# Altium PCB GN-1876-HI3519AV100_V1.PCBDOC (part 2 of 6) (continued)
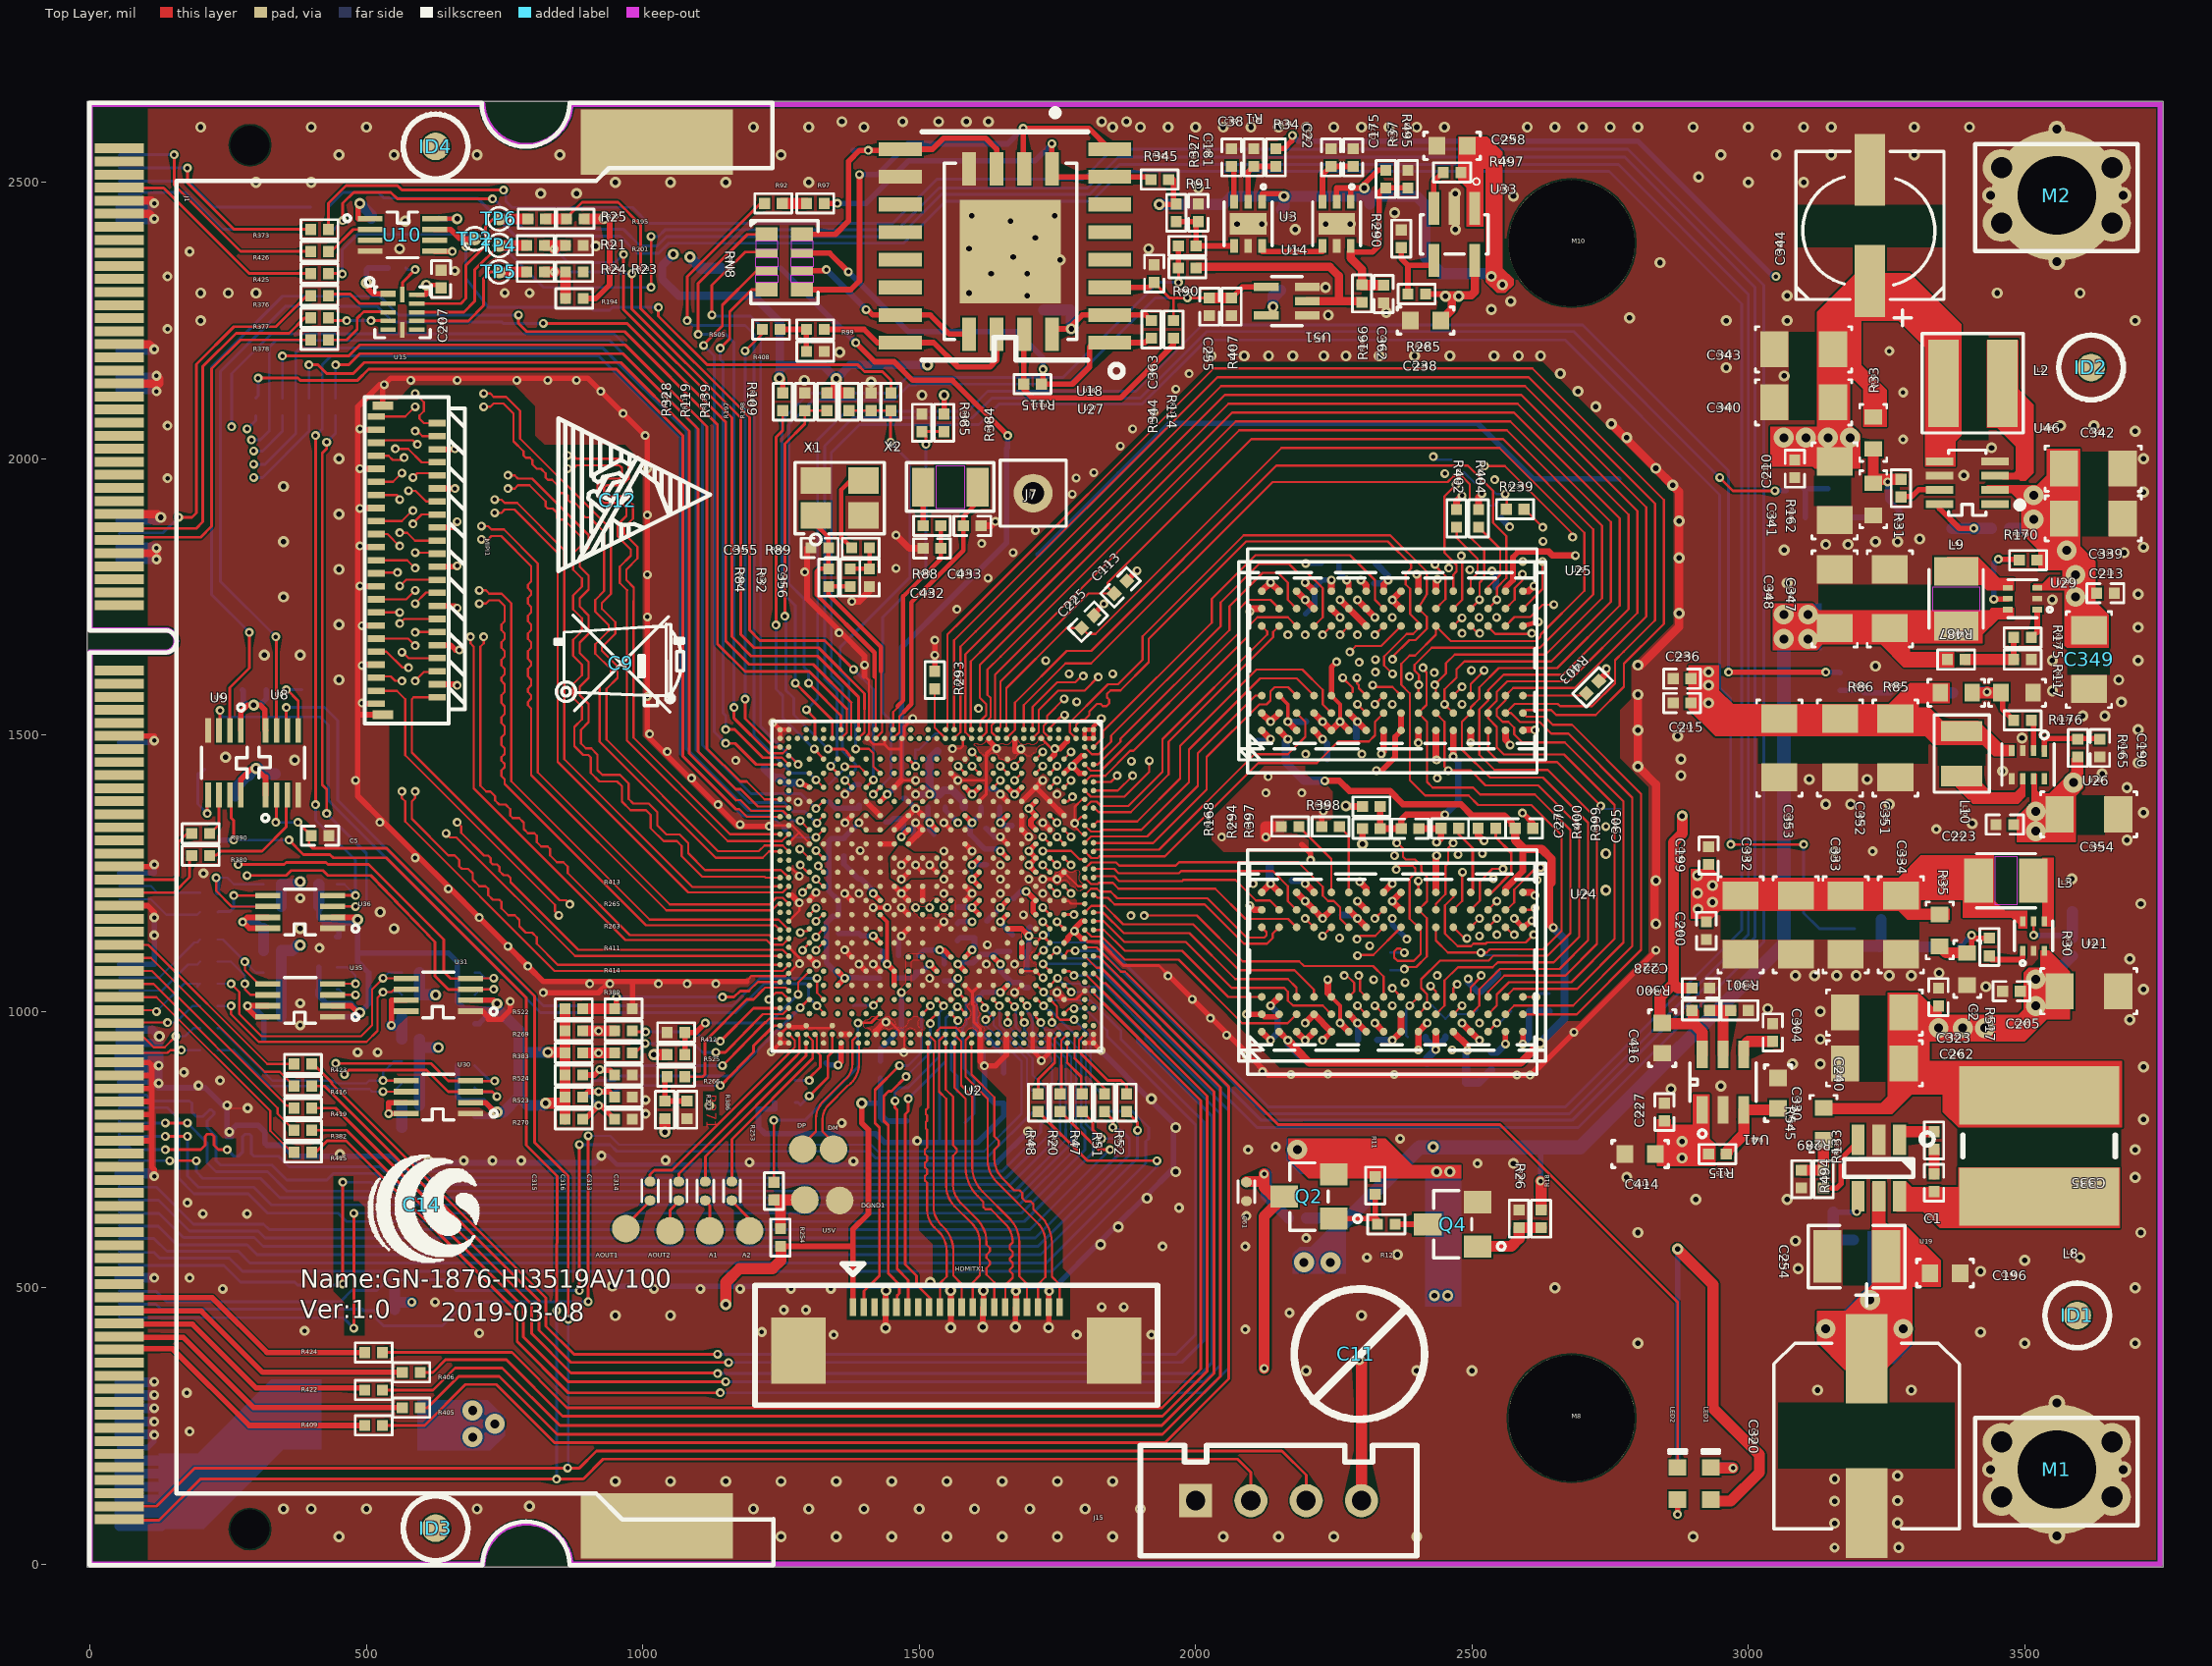
[diagram p0: Top Layer view]
## Nets (pads, with @x,y where several pads share a name; then routed paths per layer and width w, separated by ;. In a path a pad name is that pad's centre, name@x,y a point inside that pad or via, vN(x,y) a via of type N, cw(c..) or ccw(c..) an arc to the next point about the centre after c; other vN are vias at no path point) (continued)
$8N3175: R54.1 U2.1G18 | length 210.5
  Top Layer w4: U2.1G18@1608.46,1021.78 1618.08,1012.16 v1(1618.08,1006.7)
  Bottom Layer w4: v1(1618.08,1006.7) 1634.62,990.16 1634.62,975.16 1695,914.78 1695,865.16 1695.74,865.16 R54.1@1708,852.9
$9N3109: R263.1 U2.AT33 | length 330
  Top Layer w4: 1216,994.16 1217,995.16 1253.1,995.16 U2.AT33@1263.97,1006.03
  Top Layer w5.1: R263.1@981,925.16 983,927.16 984.01,927.11 988.22,927.11 1003.26,942.16 v1(1004,942.16) ; v1(1132,926.16) 1149,926.16 1216,994.16
  Bottom Layer w5.1: v1(1004,942.16) 1092,942.16 1108,926.16 v1(1132,926.16)
$9N3114: R265.1 U2.AU33 | length 299.9
  Top Layer w5.1: R265.1@981,965.16 983,963.16 v1(1005,963.16) ; v1(1140,946.16) 1140.13,946.16 1200,1006.03 U2.AU33@1248.23,1006.03
  Bottom Layer w5.1: v1(1005,963.16) 1096,963.16 1112,947.16 1139,947.16 v1(1140,946.16)
$9N3132: R266.1 U2.AT31 | length 292.1
  Top Layer w4: 1217,1039.16 1221,1043.16 1258.33,1043.16 U2.AT31@1263.97,1037.52
  Top Layer w5.1: R266.1@1076,882.16 1108,882.16 1112,886.16 1112,946.16 1188,1022.16 1200,1022.16 1217,1039.16
$9N3146: R113.1 U2.AU11 | length 1667
  Top Layer w4: 1168,1366.16 1174.32,1366.16 1188,1352.48 U2.AU11@1248.23,1352.48
  Top Layer w5.1: v1(304,2146.16) 376,2146.16 380,2142.16 484,2142.16 504,2162.16 952,2162.16 1072,2042.16 1072,1462.16 1168,1366.16
  Bottom Layer w5.1: R113.1@300,2110.16 304,2114.16 v1(304,2146.16)
$9N3161: R116.1 U2.AU9 | length 1666.1
  Top Layer w4: 1188,1415.98 1220,1383.98 U2.AU9@1248.23,1383.98
  Top Layer w5.1: v1(348,2186.16) 468,2186.16 488,2206.16 968,2206.16 1116,2058.16 1116,1475.98 1176,1415.98 1188,1415.98
  Bottom Layer w5.1: R116.1@348,2110.16 v1(348,2186.16)
$11N1963: R114.1 R115.1 U18.7 | length 429.2
  Top Layer w10: U18.7@1690,2225.55 1689,2224.55 R115.1@1689,2135.16 1689,2126.16 1705,2110.16 1864,2110.16 1960,2206.16 R114.1@1960,2218.16
$18N3698: R368.1 U8.5 | length 111.4
  Top Layer w5.1: v1(355,1582.16) 356.53,1582.16 376.53,1562.16 U8.5@376.53,1508.57
  Bottom Layer w5.1: v1(355,1582.16) R368.1@383,1582.16
$18N3808: R369.2 U9.5 | length 128.6
  Top Layer w5.1: v1(212,1358.16) 212,1390.28 U9.5@213.47,1391.75
  Bottom Layer w5.1: R369.2@207,1438.16 199,1430.16 195,1430.16 195,1375.16 v1(212,1358.16)
$24N1213: C362.1 R37.2 R166.1 R495.1 U14.6 | length 325.5
  Top Layer w10: U14.6@2280.59,2385.1 2280.59,2374.16 2320,2374.16 2332,2386.16 2332,2482.16 2340,2490.16 R37.2@2344,2490.16 R495.1@2384,2490.16
  Top Layer w15: U14.6@2280.59,2374.16 2280.59,2363.16 2301,2342.75 R166.1@2301,2315.16
  Top Layer w20: R166.1@2301,2315.16 2302,2314.16 C362.1@2340,2314.16
$24N1441: U3.6 U14.4 | length 129
  Top Layer w10: U3.6@2120.59,2385.1 2120.59,2375 2229.41,2375 U14.4@2229.41,2385.1
$24N1494: C22.1 C175.1 U14.3 | length 110.7
  Top Layer w10: U14.3@2229.41,2465.22 2229.41,2514.16 2240,2524.75 2240.59,2524.75 C22.1@2245,2529.16 C175.1@2285,2529.16
$24N1567: R1.1 R34.2 U3.2 | length 108.1
  Top Layer w10: U3.2@2095,2465.22 2095,2519.16 R1.1@2105,2529.16 R34.2@2145,2529.16
$24N1650: C38.1 U3.3 | length 65.8
  Top Layer w10: C38.1@2065,2529.16 2069.41,2524.75 U3.3@2069.41,2465.22
$31N3575: R27.1 U15.12 | length 72.8
  Top Layer w5.1: U15.12@565,2297.16 565,2319.16 v1(588,2342.16)
  Bottom Layer w5.1: R27.1@571,2345.16 574,2342.16 v1(588,2342.16)
$35N3546: R289.2 R494.2 R545.1 | length 95
  Top Layer w20: R494.2@3096,712.76 R289.2@3136,712.76 R545.1@3136,767.76
$35N3548: C1.1 R133.2 | length 44.6
  Top Layer w20: C1.1@3336,706.16 R133.2@3336,750.76
$35N3549: R289.1 U19.3 | length 127.2
  Top Layer w10: R289.1@3136,680.76 3160,680.76 3168,688.76 3168,734.16 3192,758.16 3192,761.34 U19.3@3198.6,767.94
$35N3550: R133.1 U19.1 | length 77.4
  Top Layer w20: U19.1@3273.4,767.94 3273.4,782.76 R133.1@3336,782.76
$35N3552: C1.2 L8.1 U19.6
$35N3553: C366.1 R200.2 R547.1 U19.4 | length 160.2
  Top Layer w10: v1(3196,638.16) 3196,662.98 U19.4@3198.6,665.58
  Bottom Layer w10: C366.1@3153.5,636.76 3194.6,636.76 v1(3196,638.16)
  Bottom Layer w20: C366.1@3153.5,636.76 3153.5,588.26 R547.1@3152,586.76 R200.2@3190,586.76
$35N3555: LED1.2 R6.1 | length 80.8
  Top Layer w20: LED1.2@2932,175.16 2933,174.16 v1(2972,174.16)
  Bottom Layer w20: R6.1@2932,175.16 2971,175.16 v1(2972,174.16)
$36N14: C187.1 R172.2 U21.5 | length 148.6
  Top Layer w5.1: v1(3516,1138.16) U21.5@3516,1163.33
  Bottom Layer w10: v1(3516,1138.16) R172.2@3586,1138.16
  Bottom Layer w20: C187.1@3586,1180.76 R172.2@3586,1138.16 ; R172.2@3586,1138.16 R172.2@3586,1132.76 R172.2@3586,1138.16
$36N17: C43.1 R3.1 R418.2 | length 96.8
  Bottom Layer w20: R418.2@3192,1118.16 3235.6,1118.16 R3.1@3237,1116.76 3240,1119.76 C43.1@3240,1166.76
$36N18: R3.2 R298.1 | length 55
  Bottom Layer w20: R3.2@3295,1116.76 R298.1@3350,1116.76
$36N22: R30.2 R35.2 R298.2 R517.1 | length 153.5
  Top Layer w10: R517.1@3396,1105.76 3404,1113.76 v1@3404,1132.76 ; v1(3404,1138.16) v1@3404,1132.76 ; R30.2@3436,1132.76 v1@3404,1132.76
  Top Layer w20: R35.2@3346,1117.76 3357.6,1106.16 3395.6,1106.16 R517.1@3396,1105.76
  Bottom Layer w10: R298.2@3382,1116.76 3382.6,1116.76 v1(3404,1138.16)
$36N23: R30.1 U21.1 | length 78.7
  Top Layer w10: R30.1@3436,1100.76 3440,1096.76 3440,1093.85 3492,1093.85 3496.31,1098.16 U21.1@3496.31,1110.19
$36N2625: L3.1 U21.4 | length 84.7
  Top Layer w5.1: L3.1@3515.62,1236.76 3512,1233.14 3512,1229.85 3535.69,1206.16 U21.4@3535.69,1163.33
$37N1902: C188.1 R292.2 U46.8 | length 157.3
  Top Layer w10: U46.8@3345.8,1918.37 3345.8,1910.16 3381.8,1874.16 v1(3408,1874.16)
  Bottom Layer w20: C188.1@3368,1874.16 v1(3408,1874.16) R292.2@3440,1874.16
$37N1905: C48.1 R2.1 R420.2 | length 99
  Bottom Layer w10: R2.1@3103,1894.16 R420.2@3103,1946.16 ; C48.1@3144,1946.16 R420.2@3103,1946.16 ; R420.2@3103,1946.16 R420.2@3100,1946.16 R420.2@3103,1946.16
$37N1906: R2.2 R140.1 | length 54
  Bottom Layer w10: R2.2@3161,1894.16 R140.1@3215,1894.16
$37N1908: R31.2 R33.2 R140.2 R162.1 | length 211.2
  Top Layer w10: R162.1@3226,1955.76 3228.4,1958.16 v1(3252,1958.16) ; R33.2@3226,2011.59 R33.2@3226,2017.76
  Top Layer w20: R33.2@3226,2011.59 3226,1962.26 R162.1@3232.5,1962.26 ; R162.1@3228.4,1958.16 R162.1@3232.5,1962.26 ; R31.2@3276,1962.76 3233,1962.76 R162.1@3232.5,1962.26
  Bottom Layer w10: v1(3252,1958.16) 3252,1927.16 3273,1906.16 R140.2@3273,1894.16
$37N1909: R31.1 U46.7 | length 76
  Top Layer w10: R31.1@3276,1930.76 3276,1931.96 3296,1931.96 3308,1943.96 U46.7@3345.8,1943.96
$37N2372: L2.1 U46.3 | length 228.8
  Top Layer w5.1: U46.3@3446.2,1969.56 3488,1969.56 3496,1977.56 3496,2102.16 3493.83,2102.16 L2.1@3459.23,2136.76
$37N2463: R175.2 U29.1 | length 55.4
  Top Layer w10: R175.2@3512,1676.76 3521.4,1686.16 3522.57,1686.16 U29.1@3522.57,1727.07
$37N2464: R117.1 R175.1 R487.2 | length 128
  Top Layer w10: R117.1@3480,1636.76 R175.1@3480,1676.76
  Top Layer w20: R487.2@3392,1636.76 R117.1@3480,1636.76
$37N2465: C189.1 R170.2 U29.5 | length 178.2
  Top Layer w10: v1(3444,1746.16) 3468.83,1746.16 U29.5@3469.43,1746.76 ; v1(3452,1818.16) 3488.6,1818.16 R170.2@3490,1816.76
  Bottom Layer w10: v1(3444,1746.16) 3444,1810.16 v1(3452,1818.16) 3488.6,1818.16 C189.1@3490,1816.76
$37N2466: L9.1 U29.4 | length 105.8
  Top Layer w5.1: L9.1@3376,1796.38 3406.07,1796.38 3436,1766.45 U29.4@3469.43,1766.45
$38N17: C240.1 R15.2 U41.3 | length 156.8
  Top Layer w20: R15.2@2960,742.16 2962,744.16 2962,748.16 2992,778.16 2992,818.56 U41.3@2991.4,821.96 3051.3,821.96 C240.1@3054,824.66
$38N18: R300.2 R301.1 U41.5 | length 117.8
  Top Layer w20: R300.2@2930,1002.16 2954,1002.16 ; U41.5@2954,922.36 2954,1002.16 ; R301.1@2968,1002.16 2954,1002.16
$38N19: C304.1 U41.4 | length 71.4
  Top Layer w20: U41.4@2991.4,922.36 2991.4,937.56 3000,946.16 C304.1@3044,946.16
$38N1946: C54.1 R4.1 R421.2 | length 92.7
  Bottom Layer w10: R421.2@3166,1580.76 C54.1@3206,1580.76 3210,1576.76 R4.1@3257,1576.76
$38N1947: R4.2 R496.1 | length 55
  Bottom Layer w20: R4.2@3315,1576.76 R496.1@3370,1576.76
$38N1949: R176.1 U26.2 | length 56.1
  Top Layer w10: R176.1@3512,1526.76 3515.84,1522.92 U26.2@3515.84,1472.29
$38N1950: R85.1 R86.2 R176.2 R496.2 | length 143.7
  Top Layer w10: R85.1@3457,1576.76 3460,1573.76 3460,1546.76 R176.2@3480,1526.76
  Top Layer w20: R86.2@3405,1576.76 3428,1576.76 v1(3432,1578.16) 3432,1576.76 R85.1@3457,1576.76
  Bottom Layer w20: R496.2@3402,1576.76 3403.4,1578.16 v1(3432,1578.16)
$38N1951: C190.1 R165.2 U26.1 | length 123
  Top Layer w5.1: R165.2@3596,1492.76 R165.2@3596,1494.16
  Top Layer w10: U26.1@3535.53,1471.29 3535.53,1490.16 3539.53,1494.16 3596,1494.16 3634.6,1494.16 C190.1@3636,1492.76
$38N1952: L10.1 U26.6 | length 149.2
  Top Layer w5.1: L10.1@3386,1426.26 3386.1,1426.16 3400,1426.16 3436,1390.16 3484.16,1390.16 3496.16,1402.16 U26.6@3496.16,1421.23
$38N2615: R285.2 R290.1 U33.4 | length 145
  Top Layer w10: R290.1@2372,2382.16 2372,2362.16 2384,2350.16 ; R285.2@2384,2298.16 2384,2350.16 ; U33.4@2431,2359.16 2431,2350.16 2384,2350.16
$38N2617: R497.2 U33.3 | length 72.6
  Top Layer w10: U33.3@2431,2453.16 2431,2502.16 2443,2514.16 2444,2514.16 R497.2@2448,2518.16
AC_MICBIAS0: C311.1 U2.AN36 | length 121.5
  Top Layer w4: U2.AN36@1311.22,958.78 1314.84,955.16 1314.84,927.16 1321,921
  Top Layer w5.1: v1(1301,875.16) 1301,879.66 1321,899.66 1321,921
  Bottom Layer w5.1: C311.1@1275.5,875.16 v1(1301,875.16)
AC_MICBIAS1: C312.1 U2.AL36 | length 162.7
  Top Layer w5.1: v1(1301,847.16) 1334.71,880.87 1334.71,919.16 1342.71,927.16 U2.AL36@1342.71,958.78
  Bottom Layer w5.1: C312.1@1275.5,835.16 1281,835.16 1285,831.16 v1(1301,847.16)
AC_VREF: C3.1 C234.1 U2.AK37 | length 88.4
  Top Layer w10: v1(1353,903.2) 1358.44,908.64 U2.AK37@1358.44,943.02
  Bottom Layer w10: C3.1@1331.5,907.16 1335.46,903.2 v1(1353,903.2) 1357,907.2 C234.1@1357,924.66
AVDD08_HDMITX: C52.1 LB42.2 U2.1H15 | length 75.5
  Top Layer w10: U2.1H15@1582.87,1098.55 1582.95,1098.55 v1(1595.7,1111.3)
  Bottom Layer w10: LB42.2@1568.9,1128.2 1574.35,1133.65 1599.92,1133.65 1599.92,1115.52 v1(1595.7,1111.3)
AVDD08_PLL: C53.1 LB54.2 U2.1K6 | length 70.6
  Top Layer w10: v1(1518.94,1341.61) U2.1K6@1531.69,1328.86
  Bottom Layer w10: LB54.2@1515.87,1369.29 1515.87,1344.68 v1(1518.94,1341.61) 1518.94,1328.76 1525.81,1321.89 C53.1@1526.56,1321.14
AVDD08_USB_PCIE: C288.1 LB47.2 U2.1J15 | length 95.4
  Top Layer w10: v1(1537.1,1111.35) 1544.48,1111.35 U2.1J15@1557.28,1098.55
  Bottom Layer w10: C288.1@1499.6,1101.7 1509.25,1111.35 v1(1537.1,1111.35) 1545.1,1103.35 LB47.2@1545.1,1086.2
AVDD18_AC: C231.1 LB57.2 U2.1P14 | length 82.5
  Top Layer w10: v1(1416.54,1136.93) U2.1P14@1429.33,1124.14
  Bottom Layer w10: LB57.2@1354,1141.4 1390.9,1141.4 1395.37,1136.93 v1(1416.54,1136.93)
AVDD18_DDR_PLL: C50.1 C51.1 LB4.2 U2.1E8 U2.1H5 | length 160.4
  Top Layer w10: U2.1H5@1582.87,1354.45 v1(1595.67,1341.65) ; v1(1646.83,1290.49) U2.1E8@1659.64,1277.68
  Bottom Layer w10: LB4.2@1611.87,1369.29 1611.87,1357.85 v1(1595.67,1341.65) 1591.78,1337.76 1591.78,1321.14 1618.72,1294.2 1621.1,1294.2 1643.12,1294.2 v1(1646.83,1290.49)
AVDD18_MIPIRX: C212.1 LB23.2 U2.1P11 | length 110.7
  Top Layer w10: v1(1416.54,1213.7) U2.1P11@1429.33,1200.91
  Bottom Layer w10: LB23.2@1363.6,1281.8 1363.6,1267 1390.8,1239.8 C212.1@1393.7,1239.8 1395.2,1239.8 1416.54,1218.46 v1(1416.54,1213.7)
AVDD18_MIPITX: C206.1 LB21.2 U2.1F15 | length 93.2
  Top Layer w10: U2.1F15@1634.05,1098.55 v1(1646.85,1085.75)
  Bottom Layer w10: v1(1646.85,1085.75) 1646.85,1073.45 1659.85,1060.45 1667.6,1052.7 1681.1,1052.7 1690.6,1043.2 LB21.2@1697.1,1043.2
AVDD18_PLL: C421.1 LB55.2 U2.1M6 | length 86.3
  Top Layer w10: v1(1467.72,1316.07) U2.1M6@1480.51,1328.86
  Bottom Layer w10: LB55.2@1439.86,1342.7 1446.8,1342.7 1452.8,1348.7 1471.4,1348.7 1471.4,1319.75 v1(1467.72,1316.07)
AVDD18_USB_PCIE: C409.1 LB45.2 U2.1K16 | length 91.5
  Top Layer w10: v1(1518.9,1085.75) U2.1K16@1531.69,1072.96
  Bottom Layer w10: LB45.2@1459.1,1060.7 1489.1,1060.7 1494.1,1065.7 C409.1@1494.1,1069.7 1494.1,1071.2 1504.35,1071.2 v1(1518.9,1085.75)
AVDD18PLL_HDMITX: C40.1 LB51.2 U2.1H16 | length 121.2
  Top Layer w10: v1(1570.08,1085.75) U2.1H16@1582.87,1072.96
  Bottom Layer w10: v1(1570.08,1085.75) 1572.53,1088.2 1593.1,1088.2 1597.04,1088.2 1612,1103.16 1635.56,1103.16 1641.2,1108.8 LB51.2@1663.6,1108.8
AVDD33_USB_0: C39.1 LB46.2 U2.1L15 U2.1M15 U2.1M16 U2.1M17 | length 143.8
  Bottom Layer w10: LB46.2@1430,910.66 1430,932.16 1467.76,969.92 ; 1467.76,967.16 1467.76,969.92 ; v1(1467.76,1034.54) 1467.76,998.14 C39.1@1467.76,995.64 ; C39.1@1468.08,997.08 C39.1@1467.76,995.64 ; 1467.76,969.92 C39.1@1467.76,995.64
AVDD33DRV_HDMITX: C58.1 D8.1 U2.1H18 | length 277.7
  Top Layer w5.1: v1(1570.08,1034.57) U2.1H18@1582.87,1021.78
  Bottom Layer w5.1: v1(1570.08,1034.57) 1570.59,1034.57 1585,1020.16 1585,976.56 1578.6,970.16 1578.6,929.7 1579.35,928.95 1581,927.3 1581,897.16 1599,879.16 1599,815.16 D8.1@1586,802.16 D8.1@1583,799.16
AVDD_BAT_RTC: D32.1 U2.1P4 | length 1294.1
  Top Layer w10: v1(1385,2210) 1419.5,2175.5 1454.66,2175.5 1488,2142.16 1560,2142.16 v1(1660,2042.16) ; U2.1P4@1429.33,1380.04 v1(1442.12,1392.83)
  Bottom Layer w5.1: 1355,2240 1360,2235
  Bottom Layer w10: D32.1@1249,2345 1349,2245 1350,2245 1355,2240 ; 1360,2235 v1(1385,2210) ; v1(1442.12,1392.83) 1468,1418.71 1468,1658.16 1474.66,1664.82 1549.75,1739.9 1658,1848.16 1658,2018.64 1660,2020.64 v1(1660,2042.16)
BOOT_SEL0: R263.2 R383.2 R387.1 | length 87.2
  Top Layer w20: R383.2@891,925.16 v1@920,925.16 ; v1(920,925) v1@920,925.16 ; R263.2@949,925.16 v1@920,925.16
  Bottom Layer w20: R387.1@891,925.16 891.16,925 v1(920,925)
BOOT_SEL1: R265.2 R269.2 R388.1 | length 92
  Top Layer w20: R269.2@891,965.16 v1@915,965.16 ; v1(920,965) v1@915,965.16 ; R265.2@949,965.16 v1@915,965.16
  Bottom Layer w20: R388.1@891,965.16 914.84,965.16 v1(920,965)
BOOT_SEL2: R266.2 R271.2 R386.1 | length 85.7
  Top Layer w10: R266.2@1044,882.16 1040,878.16 R271.2@1040,838.16 R386.1@1080,838.16
BOOT_SEL4: R270.2 R389.1 U2.1W18 | length 586.8
  Top Layer w4: v1(920,830) v1@924.16,830
  Top Layer w5.1: v1(1285,1007.16) 1299.62,1021.78 U2.1W18@1301.38,1021.78
  Top Layer w10: R270.2@891,805.16 895.16,805.16 v1(920,830) ; v1@924.16,830 R389.1@949,805.16
  Bottom Layer w5.1: v1(920,830) 901,849 901,865 911.08,875.08 948.92,875.08 957,883.16 1161,883.16 v1(1285,1007.16)
DDR0_A0: U2.R1 U24.P3 U25.P3 | length 2928.8
  Top Layer w4: U2.R1@1594.68,1509.96 1593,1511.64 1593,1633.42 1624.62,1665.03 2059.28,2099.7 2582.67,2099.7 2783.33,1899.04 2783.33,1728.08 2664.78,1609.53 2557.37,1609.53 2529.11,1581.27 U25.P3@2529.11,1571.53 2529.11,1562.71 2513.36,1546.96 2513.36,1464.88 2540.96,1437.28 2636.98,1437.28 2726.1,1348.16 2726.1,1122.1 2669.2,1065.2 2558.59,1065.2 2529.11,1035.72 U24.P3@2529.11,1026.53
DDR0_A1: U2.1D1 U24.P7 U25.P7 | length 2202.3
  Top Layer w4: v1(1672.44,1444.02) U2.1D1@1685.23,1456.81 ; U24.P7@2529.11,1152.51 v1(2544.85,1168.25) ; U25.P7@2529.11,1697.51 2529.11,1696.05 2542,1683.16 2607,1683.16 v1(2608,1684.16)
  Mid-Layer 2 w4: v1(1672.44,1444.02) 1669,1447.46 1669,1497.16 1673.1,1501.26 1673.1,1668.97 1987.83,1983.7 2384.24,1983.7 2477.78,1890.16 2495,1890.16 2550,1835.16 2550,1803.16 2574,1779.16 2574,1748.16 2603,1719.16 2603,1689.16 v1(2608,1684.16) 2626,1684.16 2670,1640.16 2670,1444.98 2637,1411.98 2637,1293.84 2568,1224.84 2568,1191.78 2544.85,1168.63 v1(2544.85,1168.25)
DDR0_A2: U2.U2 U24.R3 U25.R3 | length 3062.4
  Top Layer w4: U2.U2@1563.19,1494.22 1574.32,1505.35 1574.32,1660 1601.99,1687.66 2046.02,2131.7 2595.93,2131.7 2815.33,1912.3 2815.33,1714.82 2686.04,1585.53 2574.6,1585.53 U25.R3@2560.6,1571.53 2560.6,1563.21 2544.86,1547.47 2544.86,1534.94 2555.52,1524.28 2565.52,1524.28 2576.35,1513.45 2576.35,1501.45 2590.9,1486.9 2667.63,1486.9 2774.1,1380.43 2774.1,1124.84 2690.46,1041.2 2575.27,1041.2 U24.R3@2560.6,1026.53
DDR0_A3: U2.1D2 U24.N7 U25.N7 | length 2096.2
  Top Layer w4: v1(1672.48,1418.38) 1685.23,1431.13 U2.1D2@1685.23,1431.22 ; U24.N7@2497.61,1152.51 v1(2513.35,1168.25) ; U25.N7@2497.61,1697.51 2510.96,1684.16 v1(2514,1684.16)
  Mid-Layer 2 w4: v1(1672.48,1418.38) 1698.1,1444 1698.1,1497.06 1694,1501.16 1694,1644.24 2011.46,1961.7 2382.62,1961.7 2470.16,1874.16 2487.63,1874.16 2522,1839.79 2522,1775.16 2513.84,1767 2504.48,1767 2491.6,1754.12 2491.6,1730.56 2499,1723.16 2499,1707.36 2514,1692.36 v1(2514,1684.16) 2527.36,1684.16 2599.1,1612.42 2599.1,1504.26 2609,1494.36 2609,1459.16 2576.16,1426.32 2576.16,1310.12 2524,1257.96 2524,1238.16 2513.35,1227.51 v1(2513.35,1168.25)
DDR0_A4: U2.1B2 U24.N3 U25.N3 | length 2033.5
  Top Layer w4: U2.1B2@1736.41,1431.22 v1(1749.2,1444.01) ; U24.N3@2497.61,1026.53 2497.61,1043.77 2516.5,1062.66 v1(2516.5,1065.16) ; U25.N3@2497.61,1571.53 2497.61,1592.77 v1(2522,1617.16)
  Mid-Layer 2 w4: v1(1749.2,1444.01) 1760.1,1454.91 1760.1,1504.06 1740,1524.16 1740,1602.24 1821.83,1684.07 1830.81,1684.07 2055.44,1908.7 2366.72,1908.7 2456.26,1819.16 2460.8,1819.16 2472,1807.96 2472,1796.36 2460,1784.36 2460,1773.42 2446,1759.42 2446,1688.04 2502.38,1631.66 2507.5,1631.66 v1(2522,1617.16) 2528,1611.16 2528,1356.49 2489,1317.49 2489,1278.36 2467.87,1257.23 2467.87,1243.16 2475,1236.03 2475,1153.16 2467.87,1146.03 2467.87,1113.79 v1(2516.5,1065.16)
DDR0_A5: U2.L2 U24.P8 U25.P8 | length 2019.3
  Top Layer w4: U2.L2@1657.67,1494.22 1673.1,1509.65 1673.1,1558.76 1767,1652.66 1811.13,1652.66 2146.17,1987.7 2492.2,1987.7 2538,1941.9 2538,1884.16 2562,1860.16 2562,1784.16 2545.1,1767.26 v1(2545.1,1745) U25.P8@2529.11,1729.01 ; U24.P8@2529.11,1184.01 v1(2545,1199.9)
  Mid-Layer 2 w4: v1(2545,1199.9) 2545,1226.16 2621,1302.16 2621,1423.26 2645,1447.26 2645,1612.84 2560,1697.84 2560,1730.1 v1(2545.1,1745)
DDR0_A6: U2.R2 U24.P2 U25.P2 | length 3061.9
  Top Layer w4: U2.R2@1594.68,1494.22 1583.32,1505.58 1583.32,1646.37 2052.65,2115.7 2589.3,2115.7 2799.33,1905.67 2799.33,1721.45 2675.41,1597.53 2563.83,1597.53 2544.86,1578.56 2544.86,1562.46 2529.11,1546.71 U25.P2@2529.11,1540.03 2529.11,1530.69 2544.86,1514.94 2544.86,1477.94 2557.52,1465.28 2666.62,1465.28 2758.1,1373.8 2758.1,1131.47 2679.83,1053.2 2567.03,1053.2 2544.86,1031.03 2544.86,1010.78 U24.P2@2529.11,995.03
DDR0_A7: U2.1E2 U24.R8 U25.R8 | length 2203.5
  Top Layer w4: v1(1646.89,1443.97) U2.1E2@1659.64,1431.22 ; U24.R8@2560.6,1184.01 2562.84,1184.01 2576.35,1197.52 2576.35,1220.51 2616,1260.16 v1(2624,1260.16) ; U25.R8@2560.6,1729.01 2577,1745.41 2577,1766.16 2591,1780.16 v1(2591,1791.18)
  Mid-Layer 2 w4: v1(1646.89,1443.97) 1657.1,1454.18 1657.1,1675.6 1981.2,1999.7 2390.87,1999.7 2484.42,1906.15 2501.63,1906.15 2567,1840.78 2567,1815.18 v1(2591,1791.18) 2590,1790.18 2590,1758.84 2686,1662.84 2686,1436.91 2653,1403.91 2653,1289.16 v1(2624,1260.16)
DDR0_A8: U2.U1 U24.R2 U25.R2 | length 3142.9
  Top Layer w4: U2.U1@1563.19,1509.96 1563.19,1671.5 2039.39,2147.7 2602.56,2147.7 2831.33,1918.93 2831.33,1708.18 2830.16,1707 2774.3,1651.15 2758.82,1635.67 2758.82,1594.08 2717.27,1552.53 2659.17,1552.53 2655,1556.7 2577.27,1556.7 U25.R2@2560.6,1540.03 2570.48,1540.03 2586.81,1523.7 2622.46,1523.7 2643.26,1502.9 2674.26,1502.9 2790.1,1387.06 2790.1,1118.21 2682.67,1010.78 2576.35,1010.78 U24.R2@2560.6,995.03
DDR0_A9: U2.1G1 U24.R7 U25.R7 | length 2495.3
  Top Layer w4: v1(1595.71,1469.56) U2.1G1@1608.46,1456.81 ; U24.R7@2560.6,1152.51 2574.34,1138.77 v1(2576.34,1138.77) ; U25.R7@2560.6,1697.51 U25.R7@2560.6,1697.51 2576.8,1713.66 2605.5,1713.66 2628,1736.16 v1(2648,1736.16)
  Mid-Layer 2 w4: v1(1595.71,1469.56) 1593,1472.27 1593,1689.39 1959.31,2055.7 2493.73,2055.7 2586,1963.43 2586,1841.16 2607,1820.16 2607,1810.48 2613,1804.48 2613,1790.96 2627,1776.96 2627,1752.16 2643,1736.16 v1(2648,1736.16) 2711.1,1673.06 2711.1,1430.38 2673.85,1393.13 2673.85,1273.89 2624.12,1224.16 2601.5,1224.16 2591,1213.66 2591,1153.43 v1(2576.34,1138.77)
DDR0_A10: U2.H2 U24.M3 U25.M3 | length 1804.2
  Top Layer w4: U2.H2@1704.92,1494.22 1716.02,1505.32 1716.02,1545.56 1751.16,1580.7 1799.2,1580.7 v1(1823.83,1605.33) ; U24.M3@2466.12,1026.53 2466.11,1042.27 v1(2473,1049.16) ; U25.M3@2466.12,1571.53 v1(2481.86,1587.27)
  Mid-Layer 2 w4: v1(1823.83,1605.33) 2091.2,1872.7 2356.46,1872.7 2414.1,1815.06 2414.1,1674.46 2471,1617.56 2471,1598.13 v1(2481.86,1587.27) 2496,1573.13 2496,1517.16 2483.61,1504.77 2483.61,1479.16 2494,1468.77 2494,1367.83 2451.74,1325.57 2451.74,1299.62 2460,1291.36 2460,1273.48 2451,1264.48 2451,1100.48 2473,1078.48 v1(2473,1049.16)
DDR0_A11: U2.V1 U24.T2 U25.T2 | length 3165.1
  Top Layer w4: U2.V1@1547.44,1509.96 1551.1,1513.62 1551.1,1682.04 1579.36,1710.29 2032.76,2163.7 2609.19,2163.7 2847.33,1925.56 2847.33,1701.54 2841.48,1695.68 2775,1629.21 2775,1587.63 2723.9,1536.53 2652.37,1536.53 2643.2,1545.7 2597.77,1545.7 U25.T2@2592.1,1540.03 2598.43,1533.7 2631.1,1533.7 2645.9,1518.9 2680.89,1518.9 2806.1,1393.69 2806.1,1111.58 2689.55,995.03 U24.T2@2592.1,995.03
DDR0_A12: U2.1C2 U24.M7 U25.M7 | length 2058.3
  Top Layer w4: U2.1C2@1710.82,1431.22 v1(1723.61,1444.01) ; U24.M7@2466.12,1152.51 2484.47,1134.16 2489,1134.16 v1(2491,1132.16) ; U25.M7@2466.12,1697.51 2480.77,1712.16 v1(2481.86,1712.16)
  Mid-Layer 2 w4: v1(1723.61,1444.01) 1709.1,1458.52 1709.1,1477.7 1714.1,1482.7 1714.1,1505.06 1710.1,1509.06 1710.1,1637 2018.8,1945.7 2375.99,1945.7 2465.53,1856.16 2481.32,1856.16 2510,1827.48 2510,1786.52 2479.86,1756.38 2479.86,1714.16 v1(2481.86,1712.16) 2481.86,1704.1 2496,1689.96 2496,1682.16 2513,1665.16 2525,1665.16 2582,1608.16 2582,1503.16 2595,1490.16 2595,1469.16 2560,1434.16 2560,1315.84 2533,1288.84 2533,1280.36 2506.61,1253.97 2506.61,1243.55 2497.61,1234.55 2497.61,1138.77 v1(2491,1132.16)
DDR0_A13: U2.1H2 U24.T8 U25.T8 | length 2500.5
  Top Layer w4: v1(1570.12,1443.97) U2.1H2@1582.87,1431.22 ; U24.T8@2592.1,1184.01 2611.36,1184.01 v1(2614.36,1187.01) ; U25.T8@2592.1,1729.01 2627.5,1764.41 v1(2627.5,1814.16)
  Mid-Layer 2 w4: v1(1570.12,1443.97) 1577,1450.85 1577,1696.02 1585.31,1704.34 1659.77,1778.79 1952.68,2071.7 2500.36,2071.7 2604,1968.06 2604,1853.16 2627.5,1829.66 v1(2627.5,1814.16) 2627.5,1801.02 2727.1,1701.42 2727.1,1423.75 2689.85,1386.5 2689.85,1270.48 2629,1209.63 2629,1201.65 v1(2614.36,1187.01)
DDR0_A14: U2.F2 U24.L2 U25.L2 | length 2205.7
  Top Layer w4: U2.F2@1736.41,1494.22 1725.02,1505.61 1725.02,1517.18 1731.1,1523.26 1731.1,1534.7 v1(1762.1,1565.7) ; U24.L2@2434.62,995.03 2450.37,1010.78 2450.37,1055.97 2474.56,1080.16 2537.46,1080.16 2546.5,1089.2 2647.94,1089.2 2694.1,1135.36 2694.1,1334.9 2619.72,1409.28 2524.41,1409.28 2497.53,1436.16 v1(2457,1436.16) 2450.36,1442.8 2450.36,1524.29 U25.L2@2434.62,1540.03
  Mid-Layer 2 w4: v1(1762.1,1565.7) 1777.1,1580.7 1847.14,1580.7 2118.14,1851.7 2349.47,1851.7 2386,1815.17 2386,1773.8 2396.1,1763.7 2396.1,1669.75 2455,1610.85 2455,1574.16 2467,1562.16 2467,1544.16 2452,1529.16 2452,1441.16 v1(2457,1436.16)
DDR0_A15: U2.1C1 U24.M8 U25.M8 | length 1920.7
  Top Layer w4: U2.1C1@1710.82,1456.81 v1(1723.61,1469.6) ; U24.M8@2466.12,1184.01 2482,1199.91 2482,1251.16 v1(2483,1252.16) ; U25.M8@2466.12,1729.01 2482,1744.89 2482,1823.16 v1(2480.5,1824.66)
  Mid-Layer 2 w4: v1(1723.61,1469.6) 1728.1,1474.09 1728.1,1515.06 1725,1518.16 1725,1609.88 1818.51,1703.39 1827.49,1703.39 2048.8,1924.7 2373.35,1924.7 2460.89,1837.16 2468,1837.16 v1(2480.5,1824.66) 2482,1823.16 2482,1781.16 2459.86,1759.02 2459.86,1686.49 2478.09,1668.26 2487.25,1668.26 2506.35,1649.16 2516.68,1649.16 2544,1621.84 2544,1351.16 2505,1312.16 2505,1278.16 2483,1256.16 v1(2483,1252.16)
DDR0_A16: U2.H1 U24.L8 U25.L8 | length 1739.9
  Top Layer w4: U2.H1@1704.92,1509.96 1704.94,1551.28 1749.36,1595.7 1782.54,1595.7 1794,1607.16 v1(1797,1607.16) ; v1(2433,1809.16) 2433,1807.16 2452,1788.16 2452,1746.39 U25.L8@2434.62,1729.01 ; U24.L8@2434.62,1184.01 2434.62,1194.77 2452.1,1212.25 2452.1,1263.36 2456.89,1268.15 2456.89,1296.05 v1(2466,1305.16)
  Mid-Layer 2 w4: v1(1797,1607.16) 1801,1607.16 2082.54,1888.7 2361.45,1888.7 2433,1817.15 v1(2433,1809.16) 2433,1799.16 2423,1789.16 2423,1773.16 2430,1766.16 2430,1680.15 2484,1626.15 2484,1611.16 2511.61,1583.55 2511.61,1362.76 2466,1317.15 v1(2466,1305.16)
DDR0_ACT: U2.M2 U24.L3 U25.L3 | length 2595.2
  Top Layer w4: U2.M2@1641.93,1494.22 1630.92,1505.23 1630.92,1518.08 1637,1524.16 1637,1609.53 2079.17,2051.7 2562.78,2051.7 2735.33,1879.15 2735.33,1747.97 2633.26,1645.9 2468.74,1645.9 2453,1630.16 2453,1611.54 v1(2432.62,1591.16) 2434.62,1589.16 U25.L3@2434.62,1571.53 ; v1(2425,1046.16) 2434.62,1036.54 U24.L3@2434.62,1026.53
  Mid-Layer 2 w4: v1(2425,1046.16) 2415.45,1055.71 2415.45,1162.61 2417,1164.16 2417,1258.48 2405,1270.48 2405,1468.36 2417.12,1480.48 2417.12,1567.28 2432.62,1582.78 v1(2432.62,1591.16)
DDR0_BA0: U2.P1 U24.N2 U25.N2 | length 2932
  Top Layer w4: U2.P1@1610.43,1509.96 1610.44,1525.6 1621,1536.16 1621,1556.16 1609.5,1567.66 1609.5,1627.29 2065.91,2083.7 2576.04,2083.7 2767.33,1892.41 2767.33,1734.71 2654.15,1621.53 2548.37,1621.53 2513.36,1586.52 2513.36,1565.96 2497.61,1550.21 U25.N2@2497.61,1540.03 2481.87,1524.29 2481.87,1474.09 2532.68,1423.28 2628.35,1423.28 2710.1,1341.53 2710.1,1128.73 2658.57,1077.2 2550.59,1077.2 2513.36,1039.97 2513.36,1010.78 U24.N2@2497.61,995.03
DDR0_BA1: U2.J1 U24.N8 U25.N8 | length 1951.2
  Top Layer w4: U2.J1@1689.17,1509.96 1689.17,1554.34 1764.71,1629.88 1810.98,1629.88 2139.26,1958.16 2456,1958.16 2466,1968.16 2481.99,1968.16 2496,1954.15 2496,1925.16 2492.1,1921.26 2492.1,1863.06 2522,1833.16 2522,1784.16 2513.6,1775.76 v1(2513.6,1745) U25.N8@2497.61,1729.01 ; U24.N8@2497.61,1184.01 2514,1200.4 2514,1235.16 2537,1258.16 v1(2556,1258.16)
  Mid-Layer 2 w4: v1(2513.6,1745) 2530,1728.6 2530,1704.16 2628,1606.16 2628,1453.98 2605,1430.98 2605,1307.16 v1(2556,1258.16)
DDR0_BG0: U2.P2 U24.M2 U25.M2 | length 2699.9
  Top Layer w4: U2.P2@1610.43,1494.22 1621.44,1505.23 1621.44,1524.6 1629,1532.16 1629,1567.66 1623.5,1573.16 1623.5,1618.66 1647.25,1642.4 2072.54,2067.7 2569.41,2067.7 2751.33,1885.78 2751.33,1741.34 2643.52,1633.53 2486.37,1633.53 2472,1619.16 2472,1604.26 2450.37,1582.63 v1(2450.37,1555.78) U25.M2@2466.12,1540.03 ; U24.M2@2466.12,995.03 v1(2481.86,1010.77)
  Mid-Layer 2 w4: v1(2450.37,1555.78) 2435,1540.41 2435,1474.84 2421,1460.84 2421,1277.12 2433,1265.12 2433,1095.84 2451,1077.84 2451,1037.15 2477.38,1010.77 v1(2481.86,1010.77)
DDR0_BG1: R163.1 R164.1 R239.2 U25.M9 | length 400.5
  Top Layer w4: U25.M9@2466.12,1760.5 2466.12,1790.28 2472,1796.16 2472,1807.96 2450,1829.96 2450,1932.16 v1(2471,1953.16) ; v1(2560,1936.16) 2563,1933.16 2563,1909.9 R239.2@2562,1908.9
  Bottom Layer w4: v1(2471,1953.16) 2471,1961.54 2485.31,1975.85 2506,1955.16 2525,1955.16 2544,1936.16 v1(2560,1936.16) 2539.31,1915.47 R164.1@2529.69,1915.47
DDR0_CKE0: R243.2 R244.1 U2.F1 U24.K2 U25.K2 | length 2169.2
  Top Layer w4: U2.F1@1736.41,1509.96 1736.41,1513.57 1759,1536.16 v1(1763,1536.16) ; U24.K2@2403.12,995.03 v1(2418.87,1010.78) 2418.87,1031.29 2408,1042.16 2408,1058.16 2442,1092.16 2530,1092.16 2539.04,1101.2 2637.31,1101.2 2678.1,1141.99 2678.1,1328.27 2613.61,1392.76 2514.4,1392.76 2502,1405.16 2429,1405.16 2418.87,1415.29 2418.87,1524.28 U25.K2@2403.12,1540.03 2418,1554.91 2418,1613.46 2411.57,1619.89 v1(2411.57,1621.89)
  Mid-Layer 2 w4: v1(1763,1536.16) 1783,1536.16 1801,1554.16 1851,1554.16 2129,1832.16 2338.74,1832.16 2368,1802.9 2368,1766.16 2380,1754.16 2380,1653.46 v1(2411.57,1621.89)
  Bottom Layer w4: v1(2418.87,1010.78) 2428.02,1010.78 R243.2@2452.1,986.7 2460.56,995.16 2501,995.16 R244.1@2510,1004.16
DDR0_CLK0_N: R225.1 U2.C2 U24.K8 U25.K8 | length 1761.5
  Top Layer w4: U2.C2@1783.66,1494.22 1772.6,1505.28 1772.6,1523.2 1830.78,1581.38 1841.55,1592.16 1859.44,1592.16 1904,1636.72 1904,1678.88 2086.82,1861.7 2352.1,1861.7 2418.1,1795.7 2418.1,1754.5 U25.K8@2403.12,1729.01 2418.1,1714.03 2418.1,1692.26 2398,1672.16 2386.57,1672.16 2356.23,1641.82 v1(2356.23,1637.06) ; v1(2364,1305.16) 2365,1305.16 2375,1295.16 2375,1280.16 2380,1275.16 2396.94,1275.16 2408.38,1263.72 2408.38,1253.78 2418.86,1243.3 2418.86,1199.75 U24.K8@2403.12,1184.01 2418.1,1169.03 2418.1,1099.7 2399.09,1080.69 2381.44,1080.69 v1(2377.45,1076.7)
  Mid-Layer 2 w4: v1(2356.23,1637.06) 2356.23,1632.42 2372,1616.65 2372,1587.82 2381.9,1577.92 2381.9,1507.51 2370,1495.61 2370,1340.16 2354,1324.16 2354,1310.16 2359,1305.16 v1(2364,1305.16)
  Bottom Layer w4: R225.1@2352.1,1074.7 2375.45,1074.7 v1(2377.45,1076.7)